# KiCad board DQBSC.kicad_pcb (continued)
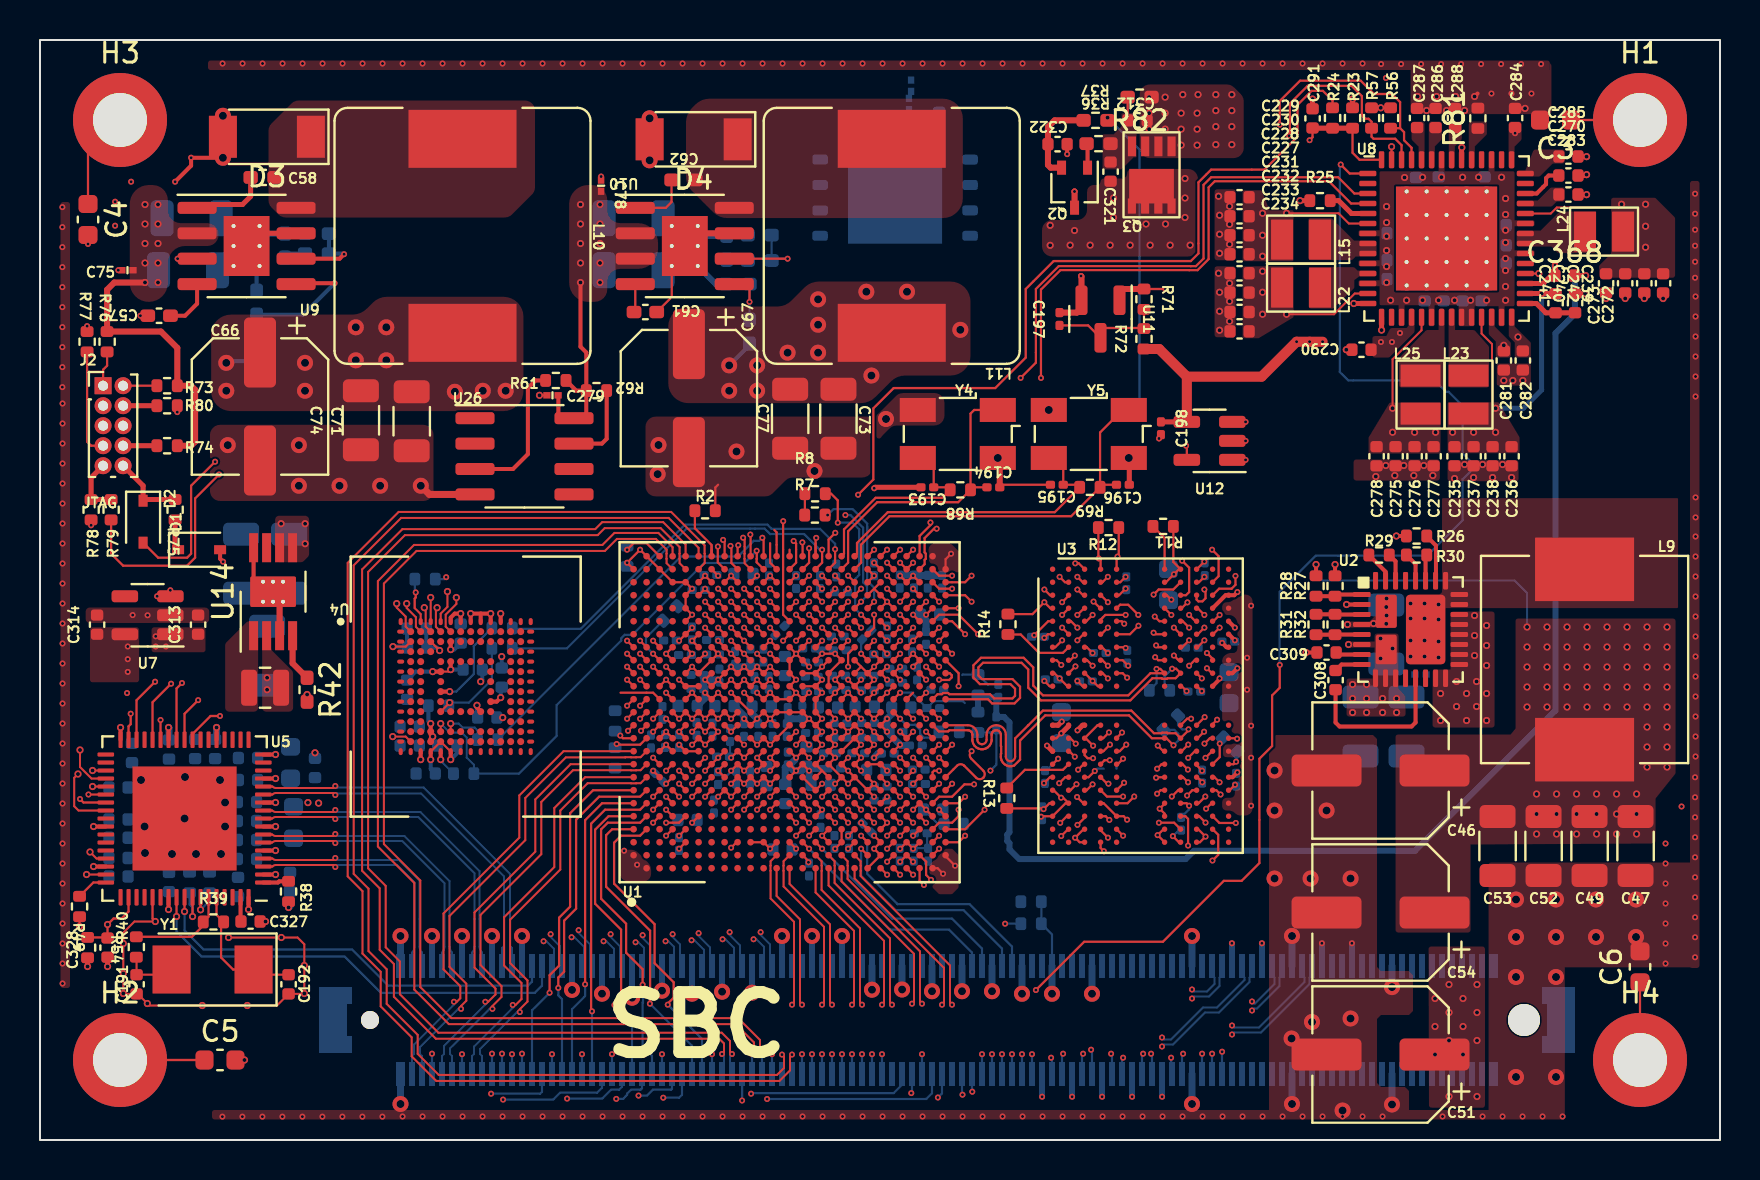
[diagram p0: board, top side]
## Routing (per net, layer and track width the routed paths; a pad name or vN(x,y) marks a point on that pad's centre or on a via; arc(x,y) is an arc through that point) (continued)
  BOT w0.11: J1.B57 46.1,2.29 v2(46.12,2.26)
I2C3_SCL: length 28.8
  TOP w0.11: U1.G8 v2(33.25,17.81)
  S2 w0.11: v2(33.25,17.81) 33.58,17.49 33.58,16.84 33.86,16.56 33.86,13.11 34.85,12.11 34.85,6.93 34.95,6.83 34.95,4.21 35.45,3.71 47.02,3.71 v2(47.6,4.29)
  BOT w0.11: v2(47.6,4.29) J1.B60
I2C3_SDA: length 30.5
  TOP w0.11: U1.E9 v2(32.6,18.46)
  S2 w0.11: v2(32.6,18.46) 32.96,18.11 33.38,18.11 34.23,17.26 34.23,14.99 34.06,14.82 34.06,13.41 35.05,12.41 35.05,7.14 35.15,7.04 35.15,4.32 35.56,3.91 45.75,3.91 46.42,4.59 47.8,4.59 v2(48.1,4.29)
  BOT w0.11: v2(48.1,4.29) J1.B61
JTAG_nTRS: length 61.1
  TOP w0.11: R79.1 3.55,29.31 4.15,28.71 7.35,28.71 7.75,29.11 7.75,32.08 v2(8.95,33.28) ; U1.U6 v2(39.75,17.16)
  S1 w0.11: v2(8.95,33.28) 22.85,33.28 23.56,32.57 35.09,32.57 37.2,30.46 37.2,27.13 36.63,26.56 36.38,26.56 36.15,26.33 36.15,26.14 35.98,25.97 35.79,25.97 35.5,25.68 35.5,25.48 35.34,25.32 35.13,25.32 34.85,25.04 34.85,24.19 34.64,23.98 34.45,23.98 34.26,23.79 34.26,20.25 34.91,19.6 34.91,17.94 35.08,18.11 35.33,18.11 35.36,18.07 35.7,18.07 35.73,18.11 35.98,18.11 36.15,17.94 36.38,18.17 38.15,18.17 38.21,18.11 39.22,18.11 39.4,17.94 39.4,17.57 39.75,17.21 v2(39.75,17.16)
JTAG_TCK: length 60.3
  TOP w0.11: U1.T5 v2(39.75,15.86)
  TOP w0.25: R80.2 J2.4
  S1 w0.11: v2(39.75,15.86) 39.4,16.22 39.4,16.68 39.21,16.87 38.98,16.87 38.75,17.1 38.75,17.29 38.52,17.51 37.4,17.51 36.75,16.87 34.4,16.87 34.2,17.07 34.2,17.32 33.61,17.91 33.61,18.53 33.38,18.76 33.19,18.76 32.95,19 32.95,20.65 32.96,20.66 32.96,24.44 33.78,25.26 33.97,25.26 34.2,25.49 34.2,25.74 34.37,25.91 34.62,25.91 34.85,26.14 34.85,26.49 34.92,26.56 35.27,26.56 35.5,26.79 35.5,27.04 35.73,27.27 35.98,27.27 36.21,27.5 36.21,28.8 36.74,29.33 36.74,30.23 35.01,31.96 8.91,31.96 J2.4
JTAG_TDI: length 63.4
  TOP w0.11: 41.38,16.19 v2(41.7,15.86)
  TOP w0.25: R74.2 J2.8
  S1 w0.11: J2.8 7.37,31.5 34.71,31.5 35.82,30.39 35.82,29.98 36.17,29.63 36.17,29.38 34.71,27.92 34.49,27.92 34.2,27.63 34.2,27.44 33.97,27.21 33.78,27.21 33.55,26.98 33.55,26.79 33.33,26.57 33.11,26.57 32.9,26.37 32.9,26.14 32.67,25.91 32.45,25.91 31.66,25.13 31.66,17.04 31.83,16.87 32.02,16.87 33.06,15.82 36.66,15.82 36.75,15.91 36.95,15.91 37.2,16.16 38.58,16.16 39.37,15.37 39.7,15.37 39.95,15.11 39.95,14.92 41.18,14.92 41.35,15.09 41.35,15.51 v2(41.7,15.86)
JTAG_TDO: length 59.7
  TOP w0.11: U1.U5 v2(40.4,15.86)
  S1 w0.11: J2.6 8.17,31.7 34.94,31.7 36.23,30.41 36.24,30.41 36.42,30.23 36.42,29.33 34.85,27.76 34.85,27.44 34.64,27.23 34.45,27.23 34.2,26.98 34.2,26.79 33.97,26.56 33.74,26.56 33.55,26.37 33.55,26.14 33.32,25.91 33.13,25.91 32.9,25.68 32.9,25.49 32.67,25.26 32.47,25.26 32.31,25.1 32.31,17.69 32.54,17.46 32.73,17.46 32.9,17.29 32.9,17 33.74,16.16 36.75,16.16 37.46,16.87 38.52,16.87 38.75,16.63 38.75,16.4 39.58,15.57 40.11,15.57 v2(40.4,15.86)
JTAG_TMS: length 60
  TOP w0.11: R73.2 J2.2 ; U1.V5 v2(40.4,16.51)
  S1 w0.11: J2.2 4.15,37.66 9.65,32.17 35.18,32.17 36.99,30.36 36.99,29.09 36.8,28.9 36.8,27.31 36.7,27.21 36.38,27.21 36.15,26.98 36.15,26.79 35.98,26.62 35.62,26.62 35.5,26.5 35.5,26.14 35.32,25.96 35.14,25.96 34.85,25.68 34.85,25.49 34.62,25.26 34.43,25.26 34.2,25.03 34.2,24.09 33.61,23.5 33.61,20.22 34.26,19.57 34.26,17.69 34.43,17.52 37.12,17.52 37.32,17.71 38.64,17.71 38.83,17.52 39.17,17.52 39.4,17.29 39.4,16.96 39.55,16.81 40.11,16.81 v2(40.4,16.51)
NAND_DATA0: length 25.4
  TOP w0.1: 18.73,26.6 19.03,26.3 U4.A3
  TOP w0.11: U1.G20 v2(33.25,26.26) ; v2(18.79,27.38) 18.79,27.12 18.73,27.07 18.73,26.6
  S2 w0.11: v2(18.79,27.38) 18.8,27.39 19.15,27.39 19.3,27.53 19.8,27.53 20.54,26.8 21.33,26.8 21.65,27.12 21.83,27.12 arc(21.99,27.06) 22.05,26.9 arc(22.12,26.75) 22.28,26.68 22.43,26.68 arc(22.59,26.75) 22.65,26.9 arc(22.72,27.06) 22.88,27.12 23.03,27.12 arc(23.25,27.04) 23.33,26.82 23.33,26.68 arc(23.42,26.47) 23.63,26.38 arc(23.85,26.47) 23.93,26.68 23.93,26.82 arc(24.02,27.04) 24.23,27.12 arc(24.45,27.04) 24.53,26.82 24.53,26.68 arc(24.62,26.47) 24.83,26.38 arc(25.05,26.47) 25.13,26.68 25.13,26.82 arc(25.22,27.04) 25.43,27.12 arc(25.65,27.04) 25.73,26.82 25.73,26.68 arc(25.82,26.47) 26.03,26.38 arc(26.25,26.47) 26.33,26.68 26.33,26.82 arc(26.42,27.04) 26.63,27.12 arc(26.85,27.04) 26.93,26.82 26.93,26.68 arc(27.02,26.47) 27.23,26.38 arc(27.45,26.47) 27.53,26.68 27.53,26.82 arc(27.62,27.04) 27.83,27.12 arc(28.05,27.04) 28.13,26.82 28.13,26.68 arc(28.22,26.47) 28.43,26.38 arc(28.65,26.47) 28.73,26.68 28.73,26.82 arc(28.82,27.04) 29.03,27.12 arc(29.25,27.04) 29.33,26.82 29.33,26.68 arc(29.42,26.47) 29.63,26.38 arc(29.85,26.47) 29.93,26.68 29.93,26.82 arc(30.02,27.04) 30.23,27.12 arc(30.45,27.04) 30.53,26.82 30.53,26.68 arc(30.62,26.47) 30.83,26.38 arc(31.05,26.47) 31.13,26.68 31.13,26.82 arc(31.22,27.04) 31.43,27.12 31.87,27.12 32.19,26.8 32.57,26.8 33.11,26.26 v2(33.25,26.26)
  BOT w0.11: R15.1 18.74,27.42 v2(18.79,27.38)
NAND_DATA1: length 22.2
  TOP w0.1: v4(19.53,27.12) U4.A4
  TOP w0.11: 34.88,25.94 v2(34.55,26.26)
  S2 w0.11: v2(34.55,26.26) 34.26,25.97 32.48,25.97 32.47,25.98 31.53,25.98 arc(31.4,25.93) 31.35,25.79 arc(31.29,25.66) 31.16,25.6 31.08,25.6 arc(30.95,25.66) 30.9,25.79 arc(30.84,25.93) 30.71,25.98 30.63,25.98 arc(30.5,25.93) 30.45,25.79 arc(30.39,25.66) 30.26,25.6 30.18,25.6 arc(30.05,25.66) 30,25.79 arc(29.94,25.93) 29.81,25.98 29.73,25.98 arc(29.6,25.93) 29.55,25.79 arc(29.49,25.66) 29.36,25.6 29.28,25.6 arc(29.15,25.66) 29.1,25.79 arc(29.04,25.93) 28.91,25.98 28.83,25.98 arc(28.7,25.93) 28.65,25.79 arc(28.59,25.66) 28.46,25.6 28.38,25.6 arc(28.25,25.66) 28.2,25.79 arc(28.14,25.93) 28.01,25.98 27.93,25.98 arc(27.8,25.93) 27.75,25.79 arc(27.69,25.66) 27.56,25.6 27.48,25.6 arc(27.35,25.66) 27.3,25.79 arc(27.24,25.93) 27.11,25.98 27.03,25.98 arc(26.9,25.93) 26.85,25.79 arc(26.79,25.66) 26.66,25.6 26.58,25.6 arc(26.45,25.66) 26.4,25.79 arc(26.34,25.93) 26.21,25.98 26.13,25.98 arc(26,25.93) 25.95,25.79 arc(25.89,25.66) 25.76,25.6 25.68,25.6 arc(25.55,25.66) 25.5,25.79 arc(25.44,25.93) 25.31,25.98 25.23,25.98 arc(25.1,25.93) 25.05,25.79 arc(24.99,25.66) 24.86,25.6 24.78,25.6 arc(24.65,25.66) 24.6,25.79 arc(24.54,25.93) 24.41,25.98 24.33,25.98 arc(24.2,25.93) 24.15,25.79 arc(24.09,25.66) 23.96,25.6 23.88,25.6 arc(23.75,25.66) 23.7,25.79 arc(23.64,25.93) 23.51,25.98 23.43,25.98 arc(23.3,25.93) 23.25,25.79 arc(23.19,25.66) 23.06,25.6 22.98,25.6 arc(22.85,25.66) 22.8,25.79 arc(22.74,25.93) 22.61,25.98 22.53,25.98 arc(22.4,25.93) 22.35,25.79 arc(22.29,25.66) 22.16,25.6 22.08,25.6 arc(21.95,25.66) 21.9,25.79 arc(21.84,25.93) 21.71,25.98 20.69,25.98 20.18,26.49 20.18,26.75 19.81,27.12 v4(19.53,27.12)
NAND_DATA2: length 22.2
  TOP w0.1: v4(20.37,27.42) 20.37,26.66 20.03,26.32 U4.A5 20.02,25.93
  TOP w0.11: U1.H22 v2(33.9,27.56)
  S2 w0.11: v4(20.37,27.42) 21.34,28.39 21.58,28.39 arc(21.67,28.36) 21.7,28.27 arc(21.74,28.18) 21.83,28.14 22.18,28.14 arc(22.27,28.18) 22.3,28.27 22.3,28.52 arc(22.34,28.61) 22.43,28.64 22.78,28.64 arc(22.87,28.61) 22.91,28.52 22.91,28.27 arc(22.94,28.18) 23.03,28.14 23.38,28.14 arc(23.47,28.18) 23.51,28.27 23.51,28.52 arc(23.54,28.61) 23.63,28.64 23.98,28.64 arc(24.07,28.61) 24.1,28.52 24.1,28.27 arc(24.14,28.18) 24.23,28.14 24.58,28.14 arc(24.67,28.18) 24.71,28.27 24.71,28.52 arc(24.74,28.61) 24.83,28.64 25.18,28.64 arc(25.27,28.61) 25.3,28.52 25.3,28.27 arc(25.34,28.18) 25.43,28.14 25.78,28.14 arc(25.87,28.18) 25.91,28.27 25.91,28.52 arc(25.94,28.61) 26.03,28.64 26.38,28.64 arc(26.47,28.61) 26.51,28.52 26.51,28.27 arc(26.54,28.18) 26.63,28.14 26.98,28.14 arc(27.07,28.18) 27.1,28.27 27.1,28.52 arc(27.14,28.61) 27.23,28.64 27.58,28.64 arc(27.67,28.61) 27.71,28.52 27.71,28.27 arc(27.74,28.18) 27.83,28.14 28.18,28.14 arc(28.27,28.18) 28.3,28.27 28.3,28.52 arc(28.34,28.61) 28.43,28.64 28.78,28.64 arc(28.87,28.61) 28.91,28.52 28.91,28.27 arc(28.94,28.18) 29.03,28.14 29.38,28.14 arc(29.47,28.18) 29.51,28.27 29.51,28.52 arc(29.54,28.61) 29.63,28.64 29.98,28.64 arc(30.07,28.61) 30.1,28.52 30.1,28.27 arc(30.14,28.18) 30.23,28.14 30.58,28.14 arc(30.67,28.18) 30.71,28.27 arc(30.74,28.36) 30.83,28.39 32.25,28.39 32.78,27.86 33.61,27.86 v2(33.9,27.56)
NAND_DATA3: length 2.1
  TOP w0.1: v4(17.83,26.82) 17.83,26.62 18.28,26.17 18.28,25.67 U4.B2
  TOP w0.11: 34.88,26.59 v2(34.55,26.91)
NAND_DATA4: length 22.2
  TOP w0.1: v4(18.33,26.82) 18.33,26.6 18.79,26.14 18.79,25.66 U4.B3
  TOP w0.11: U1.L20 v2(35.85,26.26)
  S2 w0.11: v2(35.85,26.26) 35.85,26.06 36.15,25.76 36.15,25.44 35.32,24.61 21.05,24.61 20.82,24.84 20.68,24.84 20.67,24.85 20.4,24.85 20.39,24.84 20.32,24.84 v4(18.33,26.82)
NAND_DATA5: length 22.2
  TOP w0.1: v4(19.22,26.62) 19.28,26.55 19.28,25.67 U4.B4
  TOP w0.11: 34.88,27.24 v2(34.55,27.56)
  S2 w0.11: v4(19.22,26.62) 19.13,26.62 18.49,27.26 18.49,27.59 20.06,29.16 22.34,29.16 arc(22.55,29.25) 22.64,29.46 22.64,29.81 arc(22.73,30.03) 22.94,30.11 arc(23.15,30.03) 23.24,29.81 23.24,29.46 arc(23.33,29.25) 23.54,29.16 30.82,29.16 31.17,28.81 33.79,28.81 34.26,28.34 34.26,27.86 v2(34.55,27.56)
NAND_DATA6: length 22.2
  TOP w0.1: U4.B5 19.79,25.66 19.79,26.56 v4(19.85,26.62)
  TOP w0.11: U1.L19 v2(35.85,25.61)
  S2 w0.11: v4(19.85,26.62) 19.85,26.31 20.06,26.11 arc(20.11,25.98) 20.06,25.86 arc(20,25.74) 20.06,25.61 20.2,25.47 arc(20.32,25.42) 20.44,25.47 arc(20.57,25.52) 20.69,25.47 20.84,25.32 21.33,25.32 arc(21.46,25.26) 21.52,25.12 arc(21.58,24.98) 21.72,24.93 21.88,24.93 arc(22.01,24.98) 22.07,25.12 arc(22.13,25.26) 22.27,25.32 22.43,25.32 arc(22.56,25.26) 22.62,25.12 arc(22.68,24.98) 22.82,24.93 22.98,24.93 arc(23.11,24.98) 23.17,25.12 arc(23.23,25.26) 23.37,25.32 23.53,25.32 arc(23.66,25.26) 23.72,25.12 arc(23.78,24.98) 23.92,24.93 24.08,24.93 arc(24.21,24.98) 24.27,25.12 arc(24.33,25.26) 24.47,25.32 24.63,25.32 arc(24.76,25.26) 24.82,25.12 arc(24.88,24.98) 25.02,24.93 25.18,24.93 arc(25.31,24.98) 25.37,25.12 arc(25.43,25.26) 25.57,25.32 25.73,25.32 arc(25.86,25.26) 25.92,25.12 arc(25.98,24.98) 26.12,24.93 26.28,24.93 arc(26.41,24.98) 26.47,25.12 arc(26.53,25.26) 26.67,25.32 26.83,25.32 arc(26.96,25.26) 27.02,25.12 arc(27.08,24.98) 27.22,24.93 27.38,24.93 arc(27.51,24.98) 27.57,25.12 arc(27.63,25.26) 27.77,25.32 27.93,25.32 arc(28.06,25.26) 28.12,25.12 arc(28.18,24.98) 28.32,24.93 28.48,24.93 arc(28.61,24.98) 28.67,25.12 arc(28.73,25.26) 28.87,25.32 35.56,25.32 v2(35.85,25.61)
NAND_DATA7: length 22.2
  TOP w0.1: U4.B6 20.28,25.67 20.28,26.27 20.82,26.8 v4(20.82,27.12)
  TOP w0.11: U1.M19 v2(36.5,25.61)
  S2 w0.11: v4(20.82,27.12) 21.45,27.76 21.71,27.76 arc(21.81,27.72) 21.85,27.62 arc(21.89,27.52) 21.99,27.48 22.26,27.48 arc(22.36,27.52) 22.4,27.62 arc(22.44,27.72) 22.54,27.76 22.81,27.76 arc(22.91,27.72) 22.95,27.62 arc(22.99,27.52) 23.09,27.48 23.36,27.48 arc(23.46,27.52) 23.5,27.62 arc(23.54,27.72) 23.64,27.76 23.91,27.76 arc(24.01,27.72) 24.05,27.62 arc(24.09,27.52) 24.19,27.48 24.46,27.48 arc(24.56,27.52) 24.6,27.62 arc(24.64,27.72) 24.74,27.76 25.01,27.76 arc(25.11,27.72) 25.15,27.62 arc(25.19,27.52) 25.29,27.48 25.56,27.48 arc(25.66,27.52) 25.7,27.62 arc(25.74,27.72) 25.84,27.76 26.11,27.76 arc(26.21,27.72) 26.25,27.62 arc(26.29,27.52) 26.39,27.48 26.66,27.48 arc(26.76,27.52) 26.8,27.62 arc(26.84,27.72) 26.94,27.76 27.21,27.76 arc(27.31,27.72) 27.35,27.62 arc(27.39,27.52) 27.49,27.48 27.76,27.48 arc(27.86,27.52) 27.9,27.62 arc(27.94,27.72) 28.04,27.76 28.31,27.76 arc(28.41,27.72) 28.45,27.62 arc(28.49,27.52) 28.59,27.48 28.86,27.48 arc(28.96,27.52) 29,27.62 arc(29.04,27.72) 29.14,27.76 29.41,27.76 arc(29.51,27.72) 29.55,27.62 arc(29.59,27.52) 29.69,27.48 29.96,27.48 arc(30.06,27.52) 30.1,27.62 arc(30.14,27.72) 30.24,27.76 31.99,27.76 33.19,26.56 35.98,26.56 36.15,26.39 36.15,26.2 36.5,25.85 v2(36.5,25.61)
NAND_nCE3: length 0.5
  TOP w0.11: U1.H20 v2(33.9,26.26)
NAND_nREADY: length 0.5
  TOP w0.11: U1.K20 v2(35.2,26.26)
NAND_nWE: length 0.5
  TOP w0.11: U1.K22 v2(35.2,27.56)
NAND_nWP: length 0.5
  TOP w0.11: U1.K21 v2(35.2,26.91)
NVCC_DRAM_1V1: length 67.8
  TOP w0.1: U8.25 72.08,40.32 72.6,39.8 72.6,36.77 v4(72.78,36.59)
  TOP w0.11: U3.AB3 51.98,14.89 v2(51.75,15.11) 52.18,15.54 U3.AA3 ; v2(43.65,23.66) U1.AC17 v2(43.65,24.31) U1.AB17 ; U3.K10 57.85,22.69 v2(58.09,22.44) ; v2(58.23,21.14) 58.23,21.14 57.83,20.74 ; v2(55.8,18.11) 55.83,18.14 U3.U8 ; v2(58.11,17.88) 57.86,18.14 U3.U10 ; v2(55.89,19.72) 56.17,19.44 56.23,19.44 ; R11.2 56.67,28.9 U3.A9 56.95,28.54 v2(56.69,28.29) 56.3,27.89 U3.B8 ; v2(55.68,25.36) 55.75,25.29 U3.F8 ; U1.AC3 v2(43.65,14.56) U1.AB3 v2(43,14.56) ; U3.AA8 56.18,15.54 v2(55.88,15.24) 56.23,14.89 U3.AB8 ; v2(54.41,23.71) 54.13,23.99 U3.H5 ; U3.H1 50.83,23.99 v2(51.06,23.75) ; U3.F5 54.5,25.29 v2(54.92,25.71) ; U3.F3 52.17,25.29 v2(51.87,24.98) ; v2(55.76,24.14) 55.91,23.99 U3.H8 ; U1.Y14 v2(42.35,22.36) U1.AA15 ; 52.92,30.62 52.92,29.1 v2(52.94,29.08) 53.03,28.99 U3.A4 ; v2(51.87,22.95) 52.13,22.69 U3.K3 ; U3.W8 56.23,16.81 v2(55.98,16.57) 56.23,16.32 U3.Y8 ; v2(53.19,14.44) 53.03,14.6 U3.AB4 ; U1.AB8 v2(43.65,18.46) ; v2(54.92,26.25) 54.41,26.76 54,26.76 U3.D5 ; U3.W1 50.48,16.84 v2(50.18,16.54) 50.14,16.58 R13.2 ; v2(52.74,18.45) 52.43,18.14 U3.U3 ; U3.AB10 58,14.89 v2(58.28,15.17) 57.91,15.54 U3.AA10 ; U3.B3 52.14,27.89 v2(51.87,28.16) ; U1.AC8 v2(43.65,17.81) ; v2(50.22,22.95) 50.48,22.69 U3.K1 ; U3.F10 57.89,25.29 v2(58.22,25.62) ; v2(43.65,16.51) U1.AC6 v2(44.3,16.51) U1.AD5 ; v2(54.71,17.17) 54.38,16.84 U3.W5 ; v2(54.31,19.77) 53.98,19.44 53.83,19.44 ; U1.AC20 v2(43.65,26.26) ; U1.AA10 v2(43,19.76) ; U3.AB9 56.94,14.89 v2(56.64,15.19) ; U3.D1 50.52,26.59 v2(50.22,26.89) 49.62,26.3 R14.2 ; v2(43,28.21) U1.AB23 v2(43.65,28.21) U1.AC23 ; v2(54.15,15.21) U3.AA5 ; U3.D8 v2(56.57,26.25) ; U3.B10 57.95,27.89 v2(58.22,28.16) ; U1.AD21 v2(44.3,26.26) ; v2(54.28,28.16) 54.01,27.89 U3.B5 ; U1.AC14 v2(44.3,22.36) ; v2(42.35,20.41) U1.Y12 v2(42.35,21.06)
  TOP w0.25: U8.30 75.77,42.32 C272.1 ; 52.23,20.74 52.13,20.74 v2(51.87,20.48) ; v2(51.09,20.92) 50.91,20.74 U3.N1 ; 50.63,19.44 v2(50.35,19.72)
  BOT w0.11: v2(52.74,18.45) 52.85,18.56 53.18,18.56 ; C207.2 44.36,14.63 C205.2 C200.1 ; v2(47.52,18.47) 47.81,18.76 C317.1 47.67,20.37 R65.2 ; v2(56.64,15.19) 56.94,15.49 C297.2 ; C109.1 44.9,15.8 C112.2
  BOT w0.25: v4(72.78,36.59) 74.17,36.59 75.08,37.5 v4(75.08,42.32)
  BOT w0.35: C323.1 43.05,19.72 v2(43,19.76) 42.51,20.26 C210.1 ; C110.2 44.3,25.99 C336.1 ; v2(43,28.21) 43.03,28.24 C347.2 43.7,28.23 C203.2 C209.2 ; v2(42.35,20.41) v2(42.35,21.06) 42.59,21.3 C111.1
  vias: v2(60.35,24.11) v2(60.35,22.51) v2(60.55,26.71) v2(60.55,20.71) v2(60.55,19.11) v2(60.55,16.71) v4(70.63,35.39) v4(71.68,35.39) v4(72.78,35.39)
NVCC_ENET_2V5: length 4.8
  TOP w0.1: v4(2.63,17.67) U5.39
  TOP w0.11: U1.T18 v2(39.75,24.96)
  TOP w0.2: U5.22 v4(8.83,20.62) ; U5.44 v4(2.68,15.67) ; U5.58 v4(6.43,11.52) ; U5.28 v4(6.43,20.62)
  BOT w0.35: v4(8.83,20.62) 8.83,20.1 C344.1 ; v4(6.43,20.62) 6.45,20.6 C342.1
  vias: v4(11.35,23.11) v4(11.35,22.51) v4(13.4,16.87) v4(13.93,16.84)
NVCC_SD1_1V8: length 0.9
  TOP w0.11: U1.L23 v2(36.5,28.21) U1.M23
NVCC_SD2: length 0.5
  TOP w0.11: U1.N23 v2(37.8,28.21)
NVCC_SNVS_3V3: length 0.5
  TOP w0.11: 41.38,24.64 v2(41.7,24.96)
ONOFF: length 7.1
  TOP w0.11: 41.38,26.59 v2(41.7,26.91)
  BOT w0.11: 41.36,30.48 41.36,27.96 41.7,27.61 v2(41.7,26.91) ; 41.36,30.48 41.36,30.82 40.64,31.54 39.68,31.54 v2(39.38,31.25) ; 41.36,30.48 41.36,30.69
PCIE1_REF_CLKN: length 56
  TOP w0.1: 35.23,29.67 35.23,29.32 35.22,29.32 35.22,29.06 35.23,29.06 35.23,28.84 U1.K24
  TOP w0.11: v2(35.15,30.11) 35.23,30.04 35.23,29.67
  S1 w0.1: v2(35.15,30.11) 35.22,30.05 35.22,29.51 34.86,29.15 31.53,29.15 29.49,27.11 25.12,27.11 22.41,24.41 22.41,21.18 21.71,20.48 21.71,9.19 25.06,5.84 40.51,5.84 41.7,4.66 41.7,4.39 v2(41.6,4.29)
  BOT w0.11: v2(41.6,4.29) J1.B48
PCIE1_REF_CLKP: length 55.5
  TOP w0.1: U1.K25 35.53,29.79
  TOP w0.11: v2(35.52,30.27) 35.53,30.26 35.53,29.79
  S1 w0.1: v2(42.1,4.29) 42,4.39 42,4.78 40.64,6.14 25.19,6.14 22.01,9.32 22.01,20.35 22.71,21.05 22.71,24.28 25.25,26.81 29.62,26.81 31.66,28.85 34.99,28.85 35.52,29.38 v2(35.52,30.27)
  BOT w0.11: v2(42.1,4.29) J1.B49
PCIE1_RXN: length 56.6
  TOP w0.11: v2(33.89,29.67) 33.89,29.67 33.89,28.88 U1.H24
  S1 w0.1: v2(40.6,4.29) 40.5,4.39 40.5,4.71 40.09,5.12 23.43,5.12 20.53,8.02 20.53,17.61 21.25,18.33 21.25,24.38 22.15,25.28 22.15,26.52 25.54,29.91 33.78,29.91 33.89,29.79 v2(33.89,29.67)
  BOT w0.11: v2(40.6,4.29) J1.B46
PCIE1_RXP: length 56.8
  TOP w0.11: U1.H25 34.23,29.93 v2(34.15,30)
  S1 w0.1: v2(40.1,4.29) 40.2,4.39 40.2,4.59 39.96,4.82 23.3,4.82 20.23,7.89 20.23,17.74 20.95,18.46 20.95,24.51 21.85,25.41 21.85,26.65 25.42,30.21 33.9,30.21 34.11,30 v2(34.15,30)
  BOT w0.11: v2(40.1,4.29) J1.B45
PCIE1_TXN: length 65.5
  TOP w0.11: 34.88,28.54 34.57,28.85 34.57,29.66 v2(34.52,29.7)
  S1 w0.1: v2(34.52,29.7) 34.58,29.76 34.58,30.37 34.29,30.66 23.9,30.66 22.04,28.8 18.52,28.8 17.49,27.78 17.49,26.53 18.45,25.57 18.45,17.64 18.98,17.11 18.98,7.17 20.41,5.74 20.41,4.12 21.16,3.37 38.21,3.37 38.7,3.86 38.7,4.19 v2(38.6,4.29)
  BOT w0.11: v2(38.6,4.29) J1.B42
PCIE1_TXP: length 66.7
  TOP w0.11: 34.88,29.19 34.88,29.7 v2(34.91,29.74)
  S1 w0.1: v2(34.91,29.74) 34.84,29.81 34.84,30.54 34.42,30.96 23.77,30.96 21.91,29.1 18.39,29.1 17.19,27.91 17.19,26.4 18.15,25.44 18.15,17.51 18.68,16.98 18.68,7.04 20.11,5.61 20.11,3.99 21.03,3.07 38.34,3.07 39,3.74 39,4.19 v2(39.1,4.29)
  BOT w0.11: v2(39.1,4.29) J1.B43
PCIE2_REF_CLKN: length 65.7
  TOP w0.1: U1.F25 32.93,29.61 31.43,31.1 18.06,31.1 15.68,28.73 15.68,13.31 16.42,12.57 16.42,9.45 17.33,8.54 17.33,6.81 18.88,5.26 18.88,4.31 19.94,3.25 36.85,3.25 37.2,3.6 37.2,4.17 v2(37.1,4.27)
  BOT w0.1: v2(37.1,4.27) 37.2,4.17 37.2,3.4 J1.B39
PCIE2_REF_CLKP: length 68.4
  TOP w0.1: U1.F24 33.23,28.84 33.23,29.32 33.23,29.32 33.23,29.73 31.56,31.4 17.93,31.4 15.38,28.86 15.38,13.18 16.12,12.44 16.12,9.32 17.03,8.41 17.03,6.68 18.58,5.13 18.58,4.18 19.81,2.95 36.98,2.95 37.5,3.48 37.5,4.17 v2(37.6,4.27)
  BOT w0.1: J1.B40 37.5,3.4 37.5,4.17 v2(37.6,4.27)
PCIE2_RXN: length 57.4
  TOP w0.1: U1.D25 31.63,29.64 30.92,30.35 28.72,30.35 28.12,29.75 18.7,29.75 16.89,27.95 16.89,14.67 18.71,12.85 18.71,7.52 20.44,5.79 34.78,5.79 35.7,4.88 35.7,4.39 v2(35.6,4.29)
  BOT w0.11: v2(35.6,4.29) J1.B36
PCIE2_RXP: length 57.1
  TOP w0.1: v2(36.1,4.29) 36,4.39 36,5 34.91,6.09 20.57,6.09 19.01,7.65 19.01,12.98 17.19,14.8 17.19,27.82 18.83,29.45 28.25,29.45 28.85,30.05 30.79,30.05 31.33,29.52 31.33,29.32 31.32,29.32 31.32,29.06 31.33,29.06 31.33,28.84 U1.D24
  BOT w0.11: v2(36.1,4.29) J1.B37
PCIE2_TXN: length 59.4
  TOP w0.1: v2(34.1,4.3) 34.2,4.4 34.2,4.83 33.96,5.06 19.79,5.06 17.69,7.16 17.69,8.8 16.98,9.51 16.98,12.58 16.1,13.46 16.1,28.53 18.12,30.54 27.76,30.54 28.11,30.89 31.16,30.89 32.28,29.77 U1.E25
  BOT w0.1: v2(34.1,4.3) 34.2,4.2 34.2,3.4 J1.B33
PCIE2_TXP: length 59.1
  TOP w0.1: v2(34.6,4.3) 34.5,4.4 34.5,4.95 34.09,5.36 19.92,5.36 17.99,7.29 17.99,8.93 17.28,9.64 17.28,12.71 16.4,13.59 16.4,28.4 18.25,30.24 27.89,30.24 28.24,30.59 31.03,30.59 31.98,29.65 31.98,29.32 31.97,29.32 31.97,29.06 31.98,29.06 31.98,28.84 U1.E24
  BOT w0.1: v2(34.6,4.3) 34.5,4.2 34.5,3.4 J1.B34
PMIC_nINT: length 82.1
  TOP w0.11: v2(65.03,48.77) 65.48,48.32 U8.1 ; v2(61.99,23.75) 61.99,22.61 61.61,22.23 61.61,19.7 60.97,19.06 60.97,13.85 60.08,12.96 59.19,12.96 56.14,9.91 52.21,9.91 v2(49.79,7.5) ; U1.N6 v2(37.8,16.51)
  S2 w0.11: v2(37.8,16.51) 37.31,16.02 37.31,14.01 40.38,10.95 40.51,10.95 41.29,10.16 41.29,9.28 42.12,9.28 43.42,7.98 49.31,7.98 v2(49.79,7.5)
  BOT w0.11: v2(61.99,23.75) 61.99,27.42 63.78,29.21 69.35,29.21 71.13,30.99 71.13,33.04 71.55,33.46 71.55,33.91 71.13,34.33 71.13,36.71 70.43,37.41 70.3,37.41 69.73,37.98 65.42,37.98 64.99,38.4 64.99,48.73 v2(65.03,48.77)
PMIC_ON_REQ: length 47.2
  TOP w0.11: v2(40.9,32.26) 41.67,33.02 41.67,36.58 42.68,37.6 47.76,37.6 49.29,39.12 49.29,42.55 50.68,43.95 57.54,43.95 57.92,44.33 57.92,47.88 58.56,48.52 61.22,48.52 62.88,50.17 62.88,51.75 63.58,52.46 64.15,52.46 64.63,51.97 R24.1 ; U1.V20 v2(41.05,25.61)
  S2 w0.11: v2(41.05,25.61) 41.41,25.97 41.41,27.81 41.16,28.06 41.16,28.42 40.9,28.68 v2(40.9,32.26)
PMIC_SCL: length 72
  TOP w0.11: v2(62.45,50.21) 62.49,50.25 62.49,51.82 63.38,52.71 65.58,52.71 66.09,52.2 66.09,51.23 66.26,51.06 66.43,51.06 66.58,50.91 R57.2 66.58,50.16 66.68,50.06 67.76,50.06 68.08,49.74 U8.54 ; U1.F8 v2(32.6,17.81)
  S2 w0.11: v2(62.45,50.21) 60.25,48.01 60.25,36.7 57.78,34.22 55.7,34.22 55,34.91 43.62,34.91 41.41,32.7 41.41,28.77 41.43,28.75 41.43,28.72 41.58,28.57 41.77,28.57 42.06,28.28 42.06,27.44 42.29,27.21 42.53,27.21 42.65,27.09 42.65,22.06 42.06,21.47 42.06,20.35 41.77,20.06 32.49,20.06 32.31,19.89 32.31,18.34 32.6,18.05 v2(32.6,17.81)
PMIC_SDA: length 72.3
  TOP w0.11: 68.01,50.59 R56.2 67.6,50.59 ; 68.01,50.59 68.01,51.89 67.6,52.3 66.7,52.3 66.04,52.96 63,52.96 61.99,51.95 v2(61.99,50.76) ; 68.01,50.59 68.2,50.39 68.2,49.99 68.58,49.61 U8.53 ; U1.F9 v2(33.25,19.11)
  S2 w0.11: v2(33.25,19.11) 33.61,19.47 42.48,19.47 42.71,19.7 42.71,19.89 42.88,20.06 43.07,20.06 43.3,20.29 43.3,26.53 43.32,26.55 43.32,26.77 43.3,26.79 43.3,27.04 42.71,27.63 42.71,28.28 42.42,28.56 42.24,28.56 42,28.8 42,33.01 43.65,34.66 54.85,34.66 55.5,34.02 57.86,34.02 60.5,36.66 60.5,47.82 62.75,50.07 62.75,50.34 62.32,50.76 v2(61.99,50.76)
PMIC_STBY_REQ: length 48.9
  TOP w0.11: U1.V21 v2(41.05,26.91) ; U8.4 65.56,46.82 64.44,47.94 58.74,47.94 58.43,47.63 58.43,44.04 57.88,43.49 57.46,43.49 57.46,43.5 51.02,43.5 50.05,42.52 v2(50.05,38.1)
  S1 w0.11: v2(50.05,38.1) 49.46,37.51 46.22,37.51 41.42,32.71 41.42,32.36 41.03,31.97 40.99,31.97 v2(40.27,31.25)
  S2 w0.11: v2(41.05,26.91) 41.05,27.15 40.7,27.5 40.7,27.82 40.66,27.86 40.34,27.86 40.11,28.09 40.11,30.58 40.27,30.74 v2(40.27,31.25)
  BOT w0.11: v2(40.27,31.25) 40.52,31.25 41.16,30.61 41.16,27.88 41.35,27.69 41.35,27.21 v2(41.05,26.91)
POR_B: length 87.3
  TOP w0.11: v2(49.03,38.1) 49.79,38.87 49.79,42.55 50.94,43.7 57.54,43.7 57.54,43.69 57.8,43.69 58.18,44.07 58.18,47.76 58.56,48.14 64.91,48.14 65.72,47.32 U8.3 ; 41.38,25.94 v2(41.05,26.26) ; D2.2 5.9,29.11 7.35,29.11 7.55,29.31 7.55,32.71 v2(8.75,33.91) ; v2(39.89,30.87) 39.89,31.98 39.55,32.31 R8.2
  S1 w0.11: v2(8.75,33.91) 8.83,33.84 35.03,33.84 38,30.87 v2(39.89,30.87) 39.89,32.01 45.98,38.1 v2(49.03,38.1)
  BOT w0.11: v2(39.89,30.87) 40.62,30.87 40.96,30.53 40.96,28.25 40.76,28.05 40.76,26.56 v2(41.05,26.26)
QSPIA_CLE: length 0.5
  TOP w0.11: U1.H21 v2(33.9,26.91)
QSPIA_nSS0 : length 0.5
  TOP w0.11: U1.H19 v2(33.9,25.61)
QSPIA_SCLK: length 0.5
  TOP w0.11: U1.G19 v2(33.25,25.61)
SD1_CLK: length 18.4
  TOP w0.11: U1.L25 36.18,30.05 v2(36.12,30.11)
  BOT w0.11: R16.2 32.05,29.17 34.9,29.17 35.69,29.96 35.97,29.96 v2(36.12,30.11)
SD1_CMD: length 24.7
  TOP w0.1: U4.M5 v4(20.03,20.82)
  TOP w0.11: v2(35.83,29.46) 35.83,29.33 35.84,29.32 35.84,29.06 35.83,29.05 35.83,28.89 U1.L24
  BOT w0.1: v4(20.03,20.82) 20.48,20.37 21.08,20.37 21.33,20.12 21.33,19.12 21.69,18.76 R18.1
  BOT w0.11: R18.1 23.95,18.32 25.83,20.2 25.83,21.75 29.06,24.97 29.06,25.09 29.23,25.26 29.62,25.26 33.21,28.85 35.22,28.85 v2(35.83,29.46)
SD1_D0: length 1.4
  TOP w0.11: 36.72,30.5 36.83,30.38 U1.M25
SD1_D1: length 1.4
  TOP w0.11: 36.5,29.84 36.5,28.86 U1.M24
SD1_D2: length 0.3
  TOP w0.11: U1.N25 37.48,29.51
SD1_D3: length 0.7
  TOP w0.11: U1.P25 38.13,29.87 v2(38.12,29.88)
SD1_D4: length 1.6
  TOP w0.11: U1.N24 37.8,28.86 37.8,29.83 v2(37.68,29.95)
SD1_D5: length 1.2
  TOP w0.11: v2(38.45,29.58) 38.45,28.86 U1.P24
SD1_D6: length 1.6
  TOP w0.11: 38.78,29.84 U1.R25 38.78,30.08 v2(38.81,30.11)
SD1_D7: length 1.3
  TOP w0.11: U1.T25 39.43,30.03 v2(39.76,30.36)
SD1_nRST: length 19.5
  TOP w0.11: U1.R24 39.1,28.86 v2(39.1,29.51)
  BOT w0.11: v2(39.1,29.51) 38.99,29.51 38.2,30.3 36.5,30.3 36.23,30.57 35.75,30.57 35.75,30.57 35.51,30.57 35.5,30.57 32.33,30.57 26.35,24.58 R17.2
SD1_STROBE: length 20.1
  TOP w0.11: v2(39.75,29.54) 39.75,28.86 U1.T24
  BOT w0.11: R19.1 23.66,25.56 27.04,25.56 32.25,30.77 36.37,30.77 36.58,30.56 39,30.56 39.75,29.81 v2(39.75,29.54)
SD2_CLK: length 0.5
  TOP w0.11: U1.L22 v2(35.85,27.56)
SD2_CMD: length 0.5
  TOP w0.11: U1.M22 v2(36.5,27.56)
SD2_D1: length 0.5
  TOP w0.11: U1.N21 v2(37.8,26.91)
SD2_D2: length 0.5
  TOP w0.11: U1.P22 v2(38.45,27.56)
SD2_D3: length 0.5
  TOP w0.11: U1.P21 v2(38.45,26.91)
SD2_nCD: length 0.5
  TOP w0.11: U1.L21 v2(35.85,26.91)
SD2_nRST: length 0.5
  TOP w0.11: U1.R22 v2(39.1,26.91)
SD2_WP: length 0.5
  TOP w0.11: U1.M21 v2(36.5,26.91)
SPI1_MISO: length 15.5
  TOP w0.11: v2(31.39,6.77) 31.39,6.82 31.68,7.12 31.68,7.88 30.73,8.84 30.73,10.79 28.7,12.81 28.7,14.86 29.05,15.21 30,15.21 U1.B4
  BOT w0.11: J1.B31 33.1,5.05 v2(31.39,6.77)
SPI1_MOSI: length 15.2
  TOP w0.11: v2(30.49,6.82) 30.49,7.15 30.5,7.16 30.5,10.46 28.3,12.66 28.3,15.24 28.6,15.54 U1.A4
  BOT w0.11: J1.B30 32.6,4.71 v2(30.49,6.82)
SPI1_SCLK: length 26.7
  TOP w0.11: U1.D5 v2(31.3,16.51)
  S2 w0.11: v2(29.93,2.22) 27.33,4.81 26.75,4.81 23.15,8.41 23.15,11.71 26.6,15.16 30.72,15.16 31.13,15.57 31.43,15.57 31.6,15.74 31.6,16.01 31.3,16.3 v2(31.3,16.51)
  BOT w0.11: v2(29.93,2.22) 30.35,2.22 30.65,2.51 31.55,2.51 31.6,2.56 J1.B28
